# Altium PCB 400150.PcbDoc (part 1 of 4) (continued)
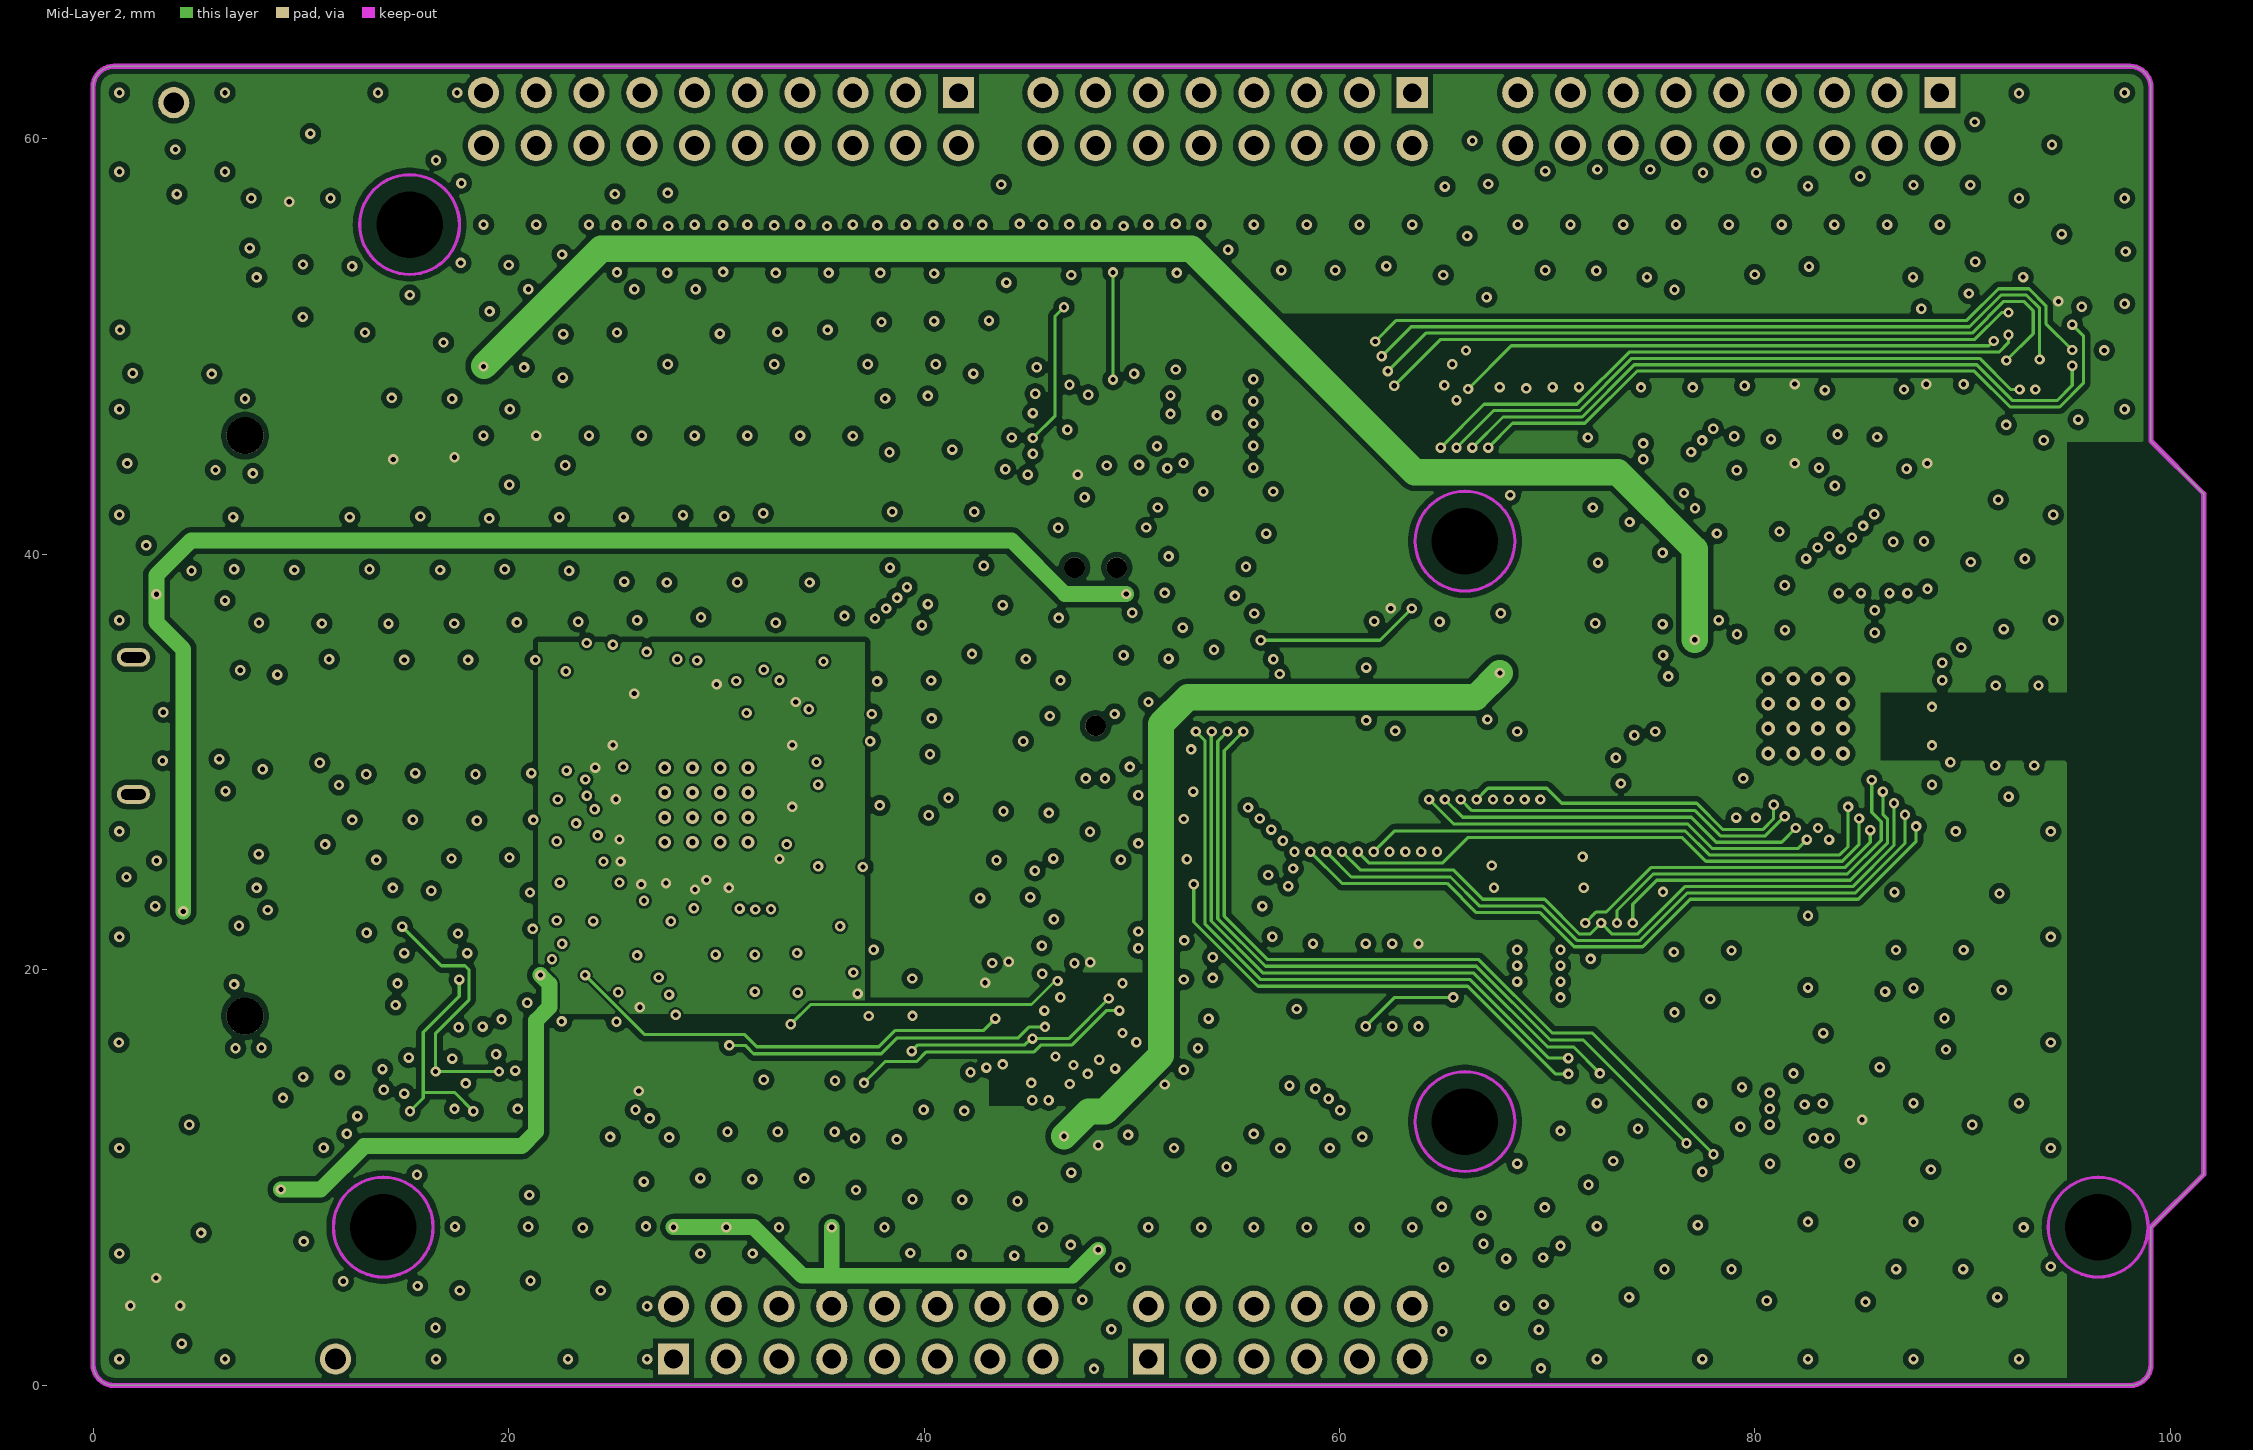
[diagram p3: Mid-Layer 2]
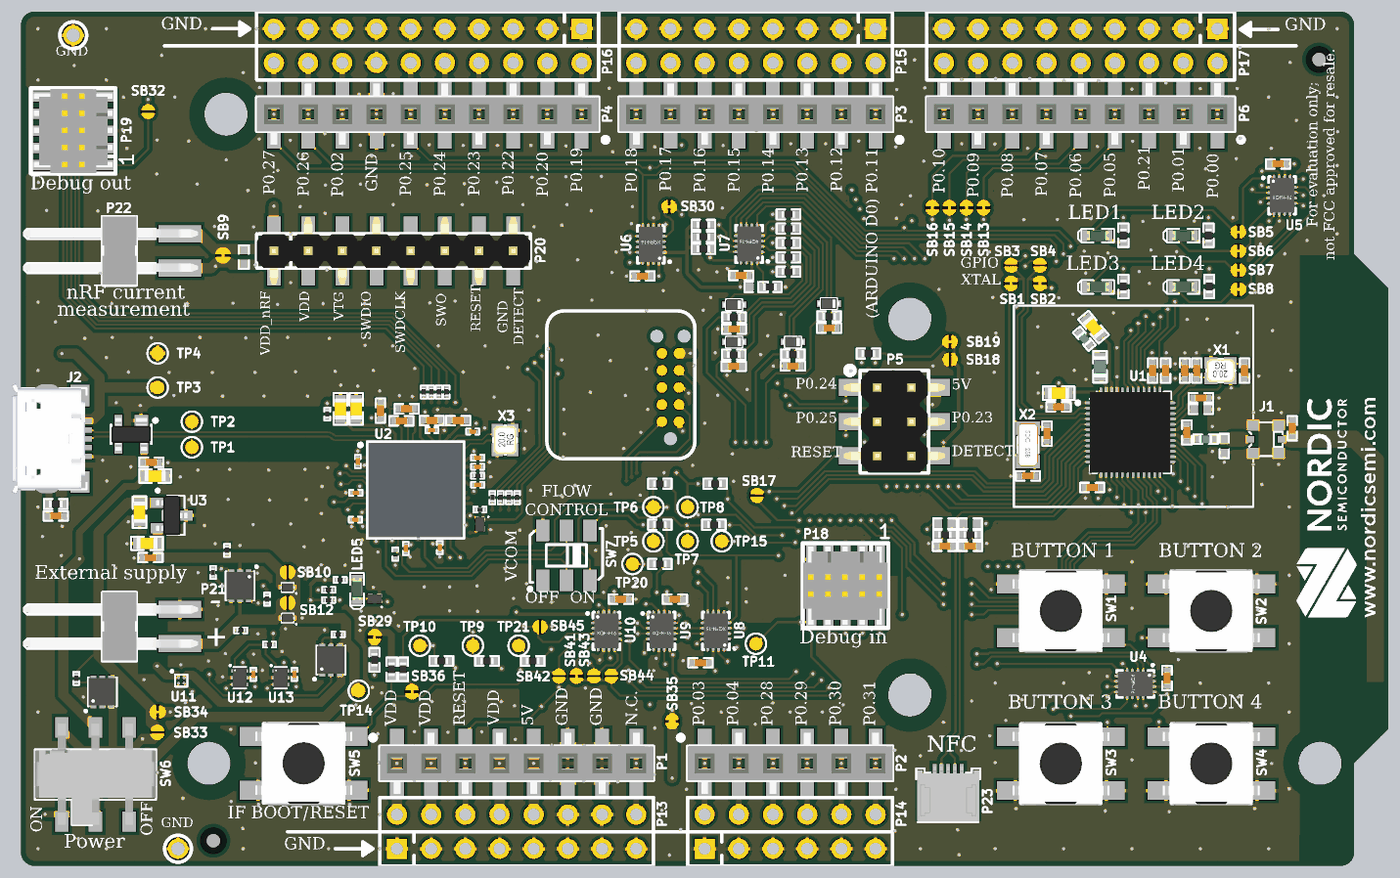
[diagram p7: 3D render of the assembled board from above, using the file's embedded part models]

## Layer stack, top to bottom
Top Solder: solder mask 0.05, Solder Resist, Dk 3.5
Top Layer: signal copper 0.035
Dielectric1: prepreg 0.075, FR-4, Dk 4.4
Mid-Layer 1: signal copper 0.035
Dielectric2: core 1.2, FR-4, Dk 4.4
Mid-Layer 2: signal copper 0.035
Dielectric3: prepreg 0.075, FR-4, Dk 4.4
Bottom Layer: signal copper 0.035
Bottom Solder: solder mask 0.05, Solder Resist, Dk 3.5

## Board outline
0,1.006 0,62.499 cw(c1.003,62.487) 1.016,63.49 98.044,63.49 cw(c98.044,62.474) 99.06,62.474 99.06,45.456 101.6,42.916 101.6,10.15 99.06,7.61 99.06,1.006 cw(c98.057,0.993) 98.069,-0.01 1.016,-0.01 cw(c1.016,1.006)

## Design rules (kind name [scope] priority, off if disabled: settings)
Clearance MicroVia [AsMM(ViaDiameter) = 0.3 vs AsMM(ViaDiameter) = 0.3] p1: gap=0.1 ignorepadtopadclearanceinfootprint=FALSE
Clearance USB_Poly_Clearance [(InNamedPolygon('Top_Layer-GND')) vs (OnLayer('Mechanical 3'))] p2: gap=0.254 ignorepadtopadclearanceinfootprint=FALSE except(0: Arc-Hole Track-Hole SMDPad-Hole THPad-Hole Via-Hole Fill-Hole Poly-Hole Region-Hole Text-Hole)
Clearance USB_Clearance [(InDifferentialPairClass('All Differential Pairs'))] p3: gap=0.127 ignorepadtopadclearanceinfootprint=FALSE except(0: Arc-Hole Track-Hole SMDPad-Hole THPad-Hole Via-Hole Fill-Hole Poly-Hole Region-Hole Text-Hole)
Clearance ANT_Clerance [InNet('ANT') or InNet('RF')] p4: gap=0.203 ignorepadtopadclearanceinfootprint=FALSE except(0: Arc-Hole Track-Hole SMDPad-Hole THPad-Hole Via-Hole Fill-Hole Poly-Hole Region-Hole Text-Hole)
Clearance Polygon_Clearance [(InNamedPolygon('Top_Layer-GND')) or (InNamedPolygon('Bottom_Layer-GND')) or (InNamedPolygon('Mid_Layer_1-GND')) or (InNamedPolygon('Mid_Layer_2-VDD'))] p5: gap=0.254 ignorepadtopadclearanceinfootprint=FALSE except(0: Arc-Hole Track-Hole SMDPad-Hole THPad-Hole Via-Hole Fill-Hole Poly-Hole Region-Hole Text-Hole)
Clearance SB_Clearance [HasFootprint('Solderbridge') or HasFootprint('QFN40P180X140X55-10N')] p6: gap=0.127 ignorepadtopadclearanceinfootprint=FALSE except(0: Arc-Hole Track-Hole SMDPad-Hole THPad-Hole Via-Hole Fill-Hole Poly-Hole Region-Hole Text-Hole)
Clearance CSP_Clearance [HasFootprint('BGA4C40P2X2_76X76X62')] p7: gap=0.127 ignorepadtopadclearanceinfootprint=FALSE except(0: Arc-Hole Track-Hole SMDPad-Hole THPad-Hole Via-Hole Fill-Hole Poly-Hole Region-Hole Text-Hole)
Clearance P23_Clearance [HasFootprint('FPC_05P-0.5mm-RA-SMD')] p8: gap=0.127 ignorepadtopadclearanceinfootprint=FALSE except(0: Arc-Hole Track-Hole SMDPad-Hole THPad-Hole Via-Hole Fill-Hole Poly-Hole Region-Hole Text-Hole)
Clearance [All] p9: gap=0.125 ignorepadtopadclearanceinfootprint=FALSE except(0: Arc-Hole Track-Hole SMDPad-Hole THPad-Hole Via-Hole Fill-Hole Poly-Hole Region-Hole Text-Hole)
ComponentClearance [All] p1 off: gap=0.254 collisioncheckmode=3 verticalgap=0.254 showdistances=FALSE
DiffPairsRouting [InDifferentialPair('IMCU')] p1: maxlimit=0.254 minlimit=0.12 mostfreqgap=0.254 toplayer_maxgap=0.193 toplayer_prefgap=0.193 toplayer_minwidth=0.15 toplayer_maxwidth=0.165 toplayer_prefwidth=0.163 midlayer1_mingap=0.254 midlayer1_minwidth=0.203 midlayer1_maxwidth=0.381 midlayer1_prefwidth=0.381 midlayer2_mingap=0.254 midlayer2_minwidth=0.203 midlayer2_maxwidth=0.381 midlayer2_prefwidth=0.381 bottomlayer_mingap=0.15 bottomlayer_maxgap=0.15 bottomlayer_prefgap=0.15 bottomlayer_minwidth=0.203 bottomlayer_maxwidth=0.381 bottomlayer_prefwidth=0.381 maxuncoupledlength=12.7
FabricationTestPointUsage TestPointUsage [All] p1: valid=0 allowmultiple=FALSE
FabricationTestpoint Testpoint [All] p1: side=3 testpointundercomponent=TRUE minsize=1.016 maxsize=2.54 preferedsize=1.524 minholesize=0 maxholesize=1.016 preferedholesize=0.813 testpointgrid=0.025 allowsidetop=TRUE allowsidebottom=TRUE usegrid=TRUE gridtolerance=0
Height [All] p1 off: minheight=0 maxheight=25.4 prefheight=12.7
HoleSize [All] p1: absolutevalues=TRUE maxlimit=5 minlimit=0.1 maxpercent=80.000 minpercent=20.000
HoleToHoleClearance HoleToHoleClearance_L1L2 [InDrillLayerPair('Top Layer - Mid-Layer 1') vs InDrillLayerPair('Top Layer - Mid-Layer 1')] p1: gap=0.225 allowstackedmicrovias=TRUE
HoleToHoleClearance HoleToHoleClearance_L1L2_L1L3 [InDrillLayerPair('Top Layer - Mid-Layer 1') vs InDrillLayerPair('Top Layer - Mid-Layer 2')] p2: gap=0.225 allowstackedmicrovias=TRUE
HoleToHoleClearance HoleToHoleClearance_L1L3 [InDrillLayerPair('Top Layer - Mid-Layer 2') vs InDrillLayerPair('Top Layer - Mid-Layer 2')] p3: gap=0.225 allowstackedmicrovias=TRUE
HoleToHoleClearance HoleToHoleClearance_L1L3_L3L4 [InDrillLayerPair('Top Layer - Mid-Layer 2') vs InDrillLayerPair('Mid-Layer 2 - Mid-Layer 3')] p4: gap=0.225 allowstackedmicrovias=TRUE
HoleToHoleClearance HoleToHoleClearance_L3L4 [InDrillLayerPair('Mid-Layer 2 - Mid-Layer 3') vs InDrillLayerPair('Mid-Layer 2 - Mid-Layer 3')] p5: gap=0.225 allowstackedmicrovias=TRUE
HoleToHoleClearance HoleToHoleClearance_L3L4_L4L6 [InDrillLayerPair('Mid-Layer 2 - Mid-Layer 3') vs InDrillLayerPair('Mid-Layer 3 - Bottom Layer')] p6: gap=0.225 allowstackedmicrovias=TRUE
HoleToHoleClearance HoleToHoleClearance_L4L6 [InDrillLayerPair('Mid-Layer 3 - Bottom Layer') vs InDrillLayerPair('Mid-Layer 3 - Bottom Layer')] p7: gap=0.225 allowstackedmicrovias=TRUE
HoleToHoleClearance HoleToHoleClearance_L1L2_L1L6 [InDrillLayerPair('Top Layer - Mid-Layer 1') vs InDrillLayerPair('Top Layer - Bottom Layer')] p8: gap=0.275 allowstackedmicrovias=FALSE
HoleToHoleClearance HoleToHoleClearance_L1L3_L1L6 [InDrillLayerPair('Top Layer - Mid-Layer 2') vs InDrillLayerPair('Top Layer - Bottom Layer')] p9: gap=0.275 allowstackedmicrovias=FALSE
HoleToHoleClearance HoleToHoleClearance_L3L4_L1L6 [InDrillLayerPair('Mid-Layer 2 - Mid-Layer 3') vs InDrillLayerPair('Top Layer - Bottom Layer')] p10: gap=0.275 allowstackedmicrovias=FALSE
HoleToHoleClearance HoleToHoleClearance_L4L6_L1L6 [InDrillLayerPair('Mid-Layer 3 - Bottom Layer') vs InDrillLayerPair('Top Layer - Bottom Layer')] p11: gap=0.275 allowstackedmicrovias=FALSE
HoleToHoleClearance HoleToHoleClearance_L1L6 [InDrillLayerPair('Top Layer - Bottom Layer') vs InDrillLayerPair('Top Layer - Bottom Layer')] p12: gap=0.45 allowstackedmicrovias=FALSE
HoleToHoleClearance [All] p13: gap=0.254 allowstackedmicrovias=TRUE
MinimumAnnularRing [All] p1 off: minimumring=0.152
MinimumSolderMaskSliver MinimumSolderMaskSliver_U11 [InComponent('U11') or  InComponent('U1') or InComponent('U2') or HasFootprint('BGA4C40P2X2_76X76X62')] p1: minsoldermaskwidth=0.074
MinimumSolderMaskSliver [All] p2: minsoldermaskwidth=0.097
NetAntennae [All] p1 off: netantennaetolerance=0
PolygonConnect PolygonConnect_1 [isVia and innet(gnd) or isVia and innet('VDD') or HasFootprint('COAXIAL-SWF') or isVia and innet('VDD_IMCU')] p1: connectstyle=Direct reliefconductorwidth=0.254 reliefentries=4 polygonreliefangle="90 Angle" airgapwidth=0.254
PolygonConnect [All] p2: connectstyle=Relief reliefconductorwidth=0.254 reliefentries=4 polygonreliefangle="90 Angle" airgapwidth=0.254
RoutingVias [All] p1: holewidth=0.305 width=0.61 viastyle="Through Hole" minholewidth=0.1 minwidth=0.1 maxholewidth=0.711 maxwidth=1.27
SilkToSolderMaskClearance SilkscreenOverComponentPads [IsPad] p1: minsilkscreentomaskgap=0.254 clearancetoexposedcopper=TRUE
SolderMaskExpansion SolderMaskExpansion_via [IsVia] p1: expansion=0.076 istentingtop=TRUE
SolderMaskExpansion [All] p2: expansion=0.076 istentingtop=FALSE
Width [All] p1: maxlimit=10.16 minlimit=0.11 preferedwidth=0.125 minimp=50.000000 maximp=50.000000 favimp=50.000000
20 further rules are at their usual default settings.

## Classes and differential pairs
component class sheet1_cover: Fid1 Fid2
component class sheet2_radio: C1 C2 C3 C4 C5 C6 C7 C8 C9 C10 C11 C12 C13 C15 C52 C53 J1 L1 L2 L3 SB1 SB2 SB3 SB4 SB13 SB14 SB15 SB16 SB17 SB30 TP11 U1 X1 X2
component class sheet3_interface_mcu: C14 C22 C23 C24 C25 C26 C27 C28 C29 C30 C31 C32 C33 C34 C35 C36 C37 C38 C54 C55 LED5 Q1 Q2 R5 R7 R8 R9 R10 R11 R13 R14 R15 R16 R17 R18 R19 R20 R21 R22 R52 R53 R54 R55 R56 R57 R58 R59 SB20 SB21 SB22 SB23 SB24 SB25 SB26 SB27 SB29 SB36 SB41 SB42 SB43 SB44 SB45 SB? SW5 SW7 TP5 TP6 TP7 TP8 TP9 TP10 TP20 TP21 U2 U8 U9 U10 X3
component class sheet4_buttons_and_leds: C44 C45 C46 C47 C48 C49 C50 C51 D3 D4 D5 D6 LED1 LED2 LED3 LED4 R1 R2 R3 R4 R29 R30 R31 R32 R33 R34 R35 R36 R37 R38 R40 R41 R42 R43 SB5 SB6 SB7 SB8 SW1 SW2 SW3 SW4 U4 U5 U6 U7
component class sheet5_connectors: C19 C20 C21 C42 C43 D2 J2 J3 P1 P2 P3 P4 P5 P6 P7 P8 P9 P10 P11 P12 P13 P14 P15 P16 P17 P18 P19 P20 P23 P24 R12 R25 R26 R27 R28 R39 SB18 SB19 SB32 TP1 TP2 TP3 TP4 TP15
component class sheet6_power_supply: Bat1 C16 C17 C18 C56 C57 D1 D7 NT1 P21 P22 Q3 Q4 Q5 R6 R44 R45 R46 R47 R48 R49 R50 R51 R60 SB9 SB10 SB12 SB33 SB34 SB35 SW6 TP12 TP13 TP14 U3 U11 U12 U13
differential pair IMCU: +IMCU_P -IMCU_N

## Components (designator, comment, footprint, x,y, rotation, side; value= is the part's Value field where it differs from the comment)
Bat1 "Bat Holder CR2032" L-KLS5-CR2032-23-B1 11.203,32.391 r90 bottom
C1 "12pF" CAPC1005X04L 90.918,36.809 r270 top
C2 "12pF" CAPC1005X04L 87.362,36.809 r90 top
C3 "0.8pF" CAPC1005X04L 86.626,32.211 r270 top
C4 "100nF" CAPC1005X04L 77.101,34.116 r180 top
C5 "100nF" CAPC1005X04L 79.59,28.122 r180 top
C6 "N.C." CAPC1005X04L_NC 87.667,33.938 r0 top
C7 "100pF" CAPC1005X04L 87.667,34.777 r0 top
C8 "100nF" CAPC1005X04L 86.473,36.809 r90 top
C9 "4.7µF" CAPC1608X06L 77.101,35.132 r180 top
C10 "1.0µF" CAPC1608X06L 79.692,40.04 r310 top
C11 "12pF" CAPC1005X04L 76.241,32.127 r90 top
C12 "12pF" CAPC1005X04L 74.819,28.977 r0 top
C13 "N.C." CAPC1005X04L_NC 89.408,31.206 r270 top
C14 "100nF" CAPC1005X04L 50.495,15.088 r0 top
C15 "1.2pF" CAPC1005X04L 94.459,32.516 r90 top
C16 "1.0µF" CAPC1608X06L 8.814,26.279 r90 top
C17 "1.0µF" CAPC1608X06L 9.373,23.967 r0 top
C18 "100nF" CAPC1005X04L 9.627,22.901 r0 top
C19 "100nF" CAPC1005X04L 2.587,25.999 r180 top
C20 "10µF" CAPC1608X06L 9.972,28.971 r180 top
C21 "100nF" CAPC1005X04L 9.693,29.987 r180 top
C22 "100nF" CAPC0603X03L_C#1 25.025,30.052 r270 top
C23 "100nF" CAPC0603X03L_C#1 24.883,27.73 r180 top
C24 "100nF" CAPC0603X03L_C#1 24.857,25.73 r180 top
C25 "100nF" CAPC0603X03L_C#1 28.593,23.578 r270 top
C26 "1.0µF" CAPC1005X04L 30.518,33.092 r0 top
C27 "1.0µF" CAPC1005X04L 32.482,33.092 r0 top
C28 "2.2nF" CAPC0603X03L_C#1 33.94,29.658 r0 top
C29 "100nF" CAPC0603X03L_C#1 31.124,23.653 r270 top
C30 "100nF" CAPC0603X03L_C#1 33.94,28.321 r0 top
C31 "100nF" CAPC0603X03L_C#1 33.94,30.326 r0 top
C32 "100nF" CAPC0603X03L_C#1 33.576,32.276 r0 top
C33 "1.0µF" CAPC1005X04L 26.709,33.833 r270 top
C34 "1.0µF" CAPC1005X04L 28.664,33.97 r0 top
C35 "4.7µF" CAPC1608X06L 23.746,33.96 r90 top
C36 "4.7µF" CAPC1608X06L 24.915,33.96 r90 top
C37 "100nF" CAPC0603X03L_C#1 30.53,32.376 r0 top
C38 "1.0µF" CAPC1005X04L 28.267,33.072 r0 top
C42 "300pF" CAPC1005X04L 68.656,23.749 r180 top
C43 "300pF" CAPC1005X04L 70.536,23.749 r180 top
C44 "100nF" CAPC1005X04L 85.158,13.945 r270 top
C45 "100nF" CAPC1005X04L 93.396,52.172 r0 top
C46 "100nF" CAPC1005X04L 46.185,43.835 r0 top
C47 "100nF" CAPC1005X04L 53.518,43.885 r0 top
C48 "1.0µF" CAPC1005X04L 52.984,39.898 r180 top
C49 "1.0µF" CAPC1005X04L 52.961,37.129 r0 top
C50 "1.0µF" CAPC1005X04L 57.361,37.147 r0 top
C51 "1.0µF" CAPC1005X04L 60.048,39.972 r180 top
C52 "12pF" CAPC1005X04L 85.051,36.809 r90 top
C53 "12pF" CAPC1005X04L 84.086,36.809 r90 top
C54 "100nF" CAPC1005X04L 48.59,19.812 r180 top
C55 "100nF" CAPC1005X04L 44.577,19.812 r180 top
C56 "100nF" CAPC0603X03L_C#2 17.272,14.224 r270 top
C57 "100nF" CAPC0603X03L_C#2 20.32,14.224 r270 top
D1 "NSR0620P2T5G" SODFL100X40-2N 19.812,20.691 r180 top
D2 "PRTR5V0U2X" SOT190P230X110-4L 8.194,32.07 r270 top
D3 "1PS79SB30.115" SOD-523 52.99,41.701 r180 top
D4 "1PS79SB30.115" SOD-523 52.992,38.932 r180 top
D5 "1PS79SB30.115" SOD-523 57.361,38.932 r180 top
D6 "1PS79SB30.115" SOD-523 60.028,41.783 r180 top
D7 "NSR0620P2T5G" SODFL100X40-2N 19.812,18.405 r180 top
Fid1 "Fiducial mark" Fiducial 96.451,59.934 r180 top value=N.A.
Fid2 "Fiducial mark" Fiducial 14.3,1.854 r0 top value=N.A.
J1 "MM8130-2600" COAXIAL-SWF 92.504,31.703 r90 top
J2 "MicroUSB-B" USB-Micro-B-RA-SMD-PiP 4.619,31.74 r0 top
J3 "TC2050-IDC" TC2050-IDC-NLFP 48.26,35.55 r90 top locked
L1 "3.9nH" INDC1005X04L 88.023,31.703 r0 top
L2 "10µH" INDC1608X06L 80.174,37.093 r270 top
L3 "15nH" INDC1005X04L 79.007,39.176 r310 top
LED1 "L0603G" LED_0603_G 80.01,46.837 r0 top
LED2 "L0603G" LED_0603_G 86.36,46.837 r0 top
LED3 "L0603G" LED_0603_G 80.01,43.027 r0 top
LED4 "L0603G" LED_0603_G 86.36,43.027 r0 top
LED5 "L0603G" LED_0603_G 24.972,20.551 r90 top
NT1 "NetTie_200um" NetTie_200um 21.536,20.586 r90 top net-tie
P1 "Socket 1x8" SOCKET_1x8_SMD 27.94,7.61 r0 top locked
P2 "Socket 1x6" SOCKET_1x6_SMD 50.8,7.61 r0 top locked
P3 "Socket 1x8" SOCKET_1x8_SMD 63.5,55.87 r180 top locked
P4 "Socket 1x10" SOCKET_1x10_SMD 41.656,55.87 r180 top locked
P5 "Pin Hdr 2x3" HDR_2x3-SMD 64.897,33.01 r270 top locked
P6 "Socket 1x9" SOCKET_1x9_SMD 88.9,55.87 r180 top locked
P7 "Pin List 1x8" LIST_1x8_SMD-NC 27.94,7.61 r0 bottom
P8 "Pin List 1x6" LIST_1x6_SMD-NC 50.8,7.61 r0 bottom locked
P9 "Pin List 1x8" LIST_1x8_SMD-NC 63.5,55.87 r180 bottom locked
P10 "Pin List 1x10" LIST_1x10_SMD-NC 41.656,55.87 r180 bottom locked
P11 "Socket 2x3" SOCKET_2x3_SMD-2.54mm-bottom-NC 64.897,33.01 r270 top locked
P12 "Pin List 1x9" LIST_1x9_SMD-NC 88.9,55.87 r180 bottom locked
P13 "Pin Header 2x8" HDR_2x8-NC 36.83,2.53 r0 top locked
P14 "Pin Header 2x6" HDR_2x6-NC 57.15,2.53 r0 top locked
P15 "Pin Header 2x8" HDR_2x8-NC 54.61,60.95 r180 top locked
P16 "Pin Header 2x10" HDR_2x10-NC 30.226,60.95 r180 top locked
P17 "Pin Header 2x9" HDR_2x9-NC 78.74,60.95 r180 top
P18 "Pin Header 2x5, 1.27mm" HDR_2x5-SMD-1.27mm-K 61.265,20.822 r180 top
P19 "Pin Header 2x5, 1.27mm" HDR_2x5-SMD-1.27mm-K 3.886,54.625 r90 top locked
P20 "Pin List 1x8" LIST_1x8_SMD 18.796,45.71 r0 top locked
P21 "Pin List 1x2, Angled" LIST_ANG_1x2-SMD-2.54MM 11.811,17.77 r270 top
P22 "Pin List 1x2, Angled" LIST_ANG_1x2-SMD-2.54MM 11.811,45.71 r270 top
P23 "FPC 0.5mm RA SMD" FPC_05P-0.5mm-RA-SMD 67.894,7.163 r0 top
P24 "Socket 1x8" LIST_1x8_SMD-NC 18.796,45.71 r0 bottom
Q1 "RV2C010UNT2L" DFN65P100X40-3L 26.278,19.853 r180 top
Q2 "RV2C010UNT2L" DFN65P100X40-3L 34.109,25.396 r270 top
Q3 "TSM2537CQ RFG" DFN65P200X200X80_HS-6N 6.045,12.929 r90 top
Q4 "TSM250N02DCQ RFG" DFN65P200X200X80_HS-6N 16.281,20.803 r270 top
Q5 "TSM2537CQ RFG" DFN65P200X200X80_HS-6N 23.038,15.291 r90 top
R1 "220R" RESC1005X04L 81.915,46.863 r90 top
R2 "220R" RESC1005X04L 88.24,46.863 r90 top
R3 "220R" RESC1005X04L 81.915,43.053 r90 top
R4 "220R" RESC1005X04L 88.291,43.053 r90 top
R5 "18k" RESC1005X04L 27.532,14.601 r90 top
R6 "N.C." RESC1005X04L_NC 16.561,45.253 r90 top
R7 "0R" RESC1005X04L 51.486,25.349 r180 top
R8 "49.9R" RESC0603X03L_C 33.94,28.989 r0 top
R9 "2R2" RESC0603X03L_C 22.761,33.578 r270 top
R10 "N.C." RESC0603X03L_C_NC 27.82,23.165 r90 top
R11 "150R" RESC0603X03L_C 29.929,35.216 r90 top
R12 "10k" RESC1005X04L 2.587,26.888 r180 top
R13 "150R" RESC0603X03L_C 30.494,35.216 r90 top
R14 "150R" RESC0603X03L_C 31.059,35.216 r90 top
R15 "150R" RESC0603X03L_C 31.622,35.216 r90 top
R16 "560R" RESC0603X03L_C 23.718,21.25 r180 top
R17 "150R" RESC0603X03L_C 35.024,27.364 r90 top
R18 "0R" RESC1005X04L 47.473,25.349 r180 top
R19 "150R" RESC0603X03L_C 35.637,27.364 r90 top
R20 "150R" RESC0603X03L_C 36.251,27.364 r90 top
R21 "150R" RESC0603X03L_C 36.865,27.364 r90 top
R22 "1M0" RESC0603X03L_C 34.109,26.468 r0 top
R25 "0R" RESC1005X04L 68.652,24.602 r0 top
R26 "0R" RESC1005X04L 70.532,24.602 r180 top
R27 "N.C." RESC1005X04L_NC 68.652,25.441 r0 top
R28 "N.C." RESC1005X04L_NC 70.532,25.441 r180 top
R29 "4k7" RESC1005X04L 50.714,45.867 r180 top
R30 "4k7" RESC1005X04L 50.714,46.756 r180 top
R31 "18k" RESC1005X04L 50.714,47.645 r180 top
R32 "18k" RESC1005X04L 57.021,44.161 r180 top
R33 "100k" RESC1005X04L 57.021,45.228 r180 top
R34 "100k" RESC1005X04L 57.021,46.295 r180 top
R35 "100k" RESC1005X04L 57.021,47.361 r180 top
R36 "100k" RESC1005X04L 57.021,48.428 r180 top
R37 "N.C." RESC1005X04L_NC 54.643,43.022 r180 top
R38 "0R" RESC1005X04L 55.643,43.022 r180 top
R39 "1M0" RESC1005X04L 62.967,38.075 r180 top
R40 "18k" RESC1005X04L 52.984,40.761 r180 top
R41 "18k" RESC1005X04L 52.961,37.993 r180 top
R42 "18k" RESC1005X04L 57.361,38.01 r180 top
R43 "18k" RESC1005X04L 60.048,40.835 r180 top
R44 "33k" RESC0603X03L_C 22.863,19.739 r0 top
R45 "47k" RESC0603X03L_C 22.863,20.501 r180 top
R46 "1M0" RESC0603X03L_C 18.288,19.812 r270 top
R47 "1M0" RESC0603X03L_C 14.275,21.793 r90 top
R48 "1M0" RESC0603X03L_C 23.571,17.196 r180 top
R49 "100k" RESC0603X03L_C 18.466,16.434 r180 top
R50 "220k" RESC0603X03L_C 15.316,23.444 r90 top
R51 "220k" RESC0603X03L_C 16.332,17.501 r0 top
R52 "0R" RESC1005X04L 31.242,15.223 r180 top
R53 "0R" RESC1005X04L 47.473,22.428 r180 top
R54 "0R" RESC1005X04L 38.024,15.223 r180 top
R55 "0R" RESC1005X04L 28.396,14.601 r90 top
R56 "0R" RESC1005X04L 51.587,28.397 r180 top
R57 "0R" RESC1005X04L 26.266,15.306 r270 top
R58 "0R" RESC1005X04L 47.473,28.397 r180 top
R59 "0R" RESC1005X04L 34.629,15.223 r180 top
R60 "1M0" RESC0603X03L_C 4.115,13.919 r270 top
SB1 "Solderbridge" Solderbridge_Shorted 73.558,43.289 r90 top net-tie
SB2 "Solderbridge" Solderbridge_Shorted 75.717,43.289 r90 top net-tie
SB3 "Solderbridge" Solderbridge#1 73.558,44.635 r90 top
SB4 "Solderbridge" Solderbridge#1 75.717,44.635 r90 top
SB5 "Solderbridge" Solderbridge_Shorted 90.454,47.117 r180 top net-tie
SB6 "Solderbridge" Solderbridge_Shorted 90.454,45.695 r180 top net-tie
SB7 "Solderbridge" Solderbridge_Shorted 90.454,44.272 r180 top net-tie
SB8 "Solderbridge" Solderbridge_Shorted 90.454,42.85 r180 top net-tie
SB9 "Solderbridge" Solderbridge_Shorted 15.011,45.372 r270 top net-tie
SB10 "Solderbridge" Solderbridge#2 19.812,21.834 r180 top
SB12 "Solderbridge" Solderbridge#3 19.812,19.548 r180 top
SB13 "Solderbridge" Solderbridge_Shorted 71.526,48.918 r270 top net-tie
SB14 "Solderbridge" Solderbridge_Shorted 70.256,48.918 r270 top net-tie
SB15 "Solderbridge" Solderbridge_Shorted 68.986,48.918 r270 top net-tie
SB16 "Solderbridge" Solderbridge_Shorted 67.716,48.918 r270 top net-tie
SB17 "Solderbridge" Solderbridge#4 54.686,27.526 r270 top